# Allegro board BeagleBone_Green_v1.brd
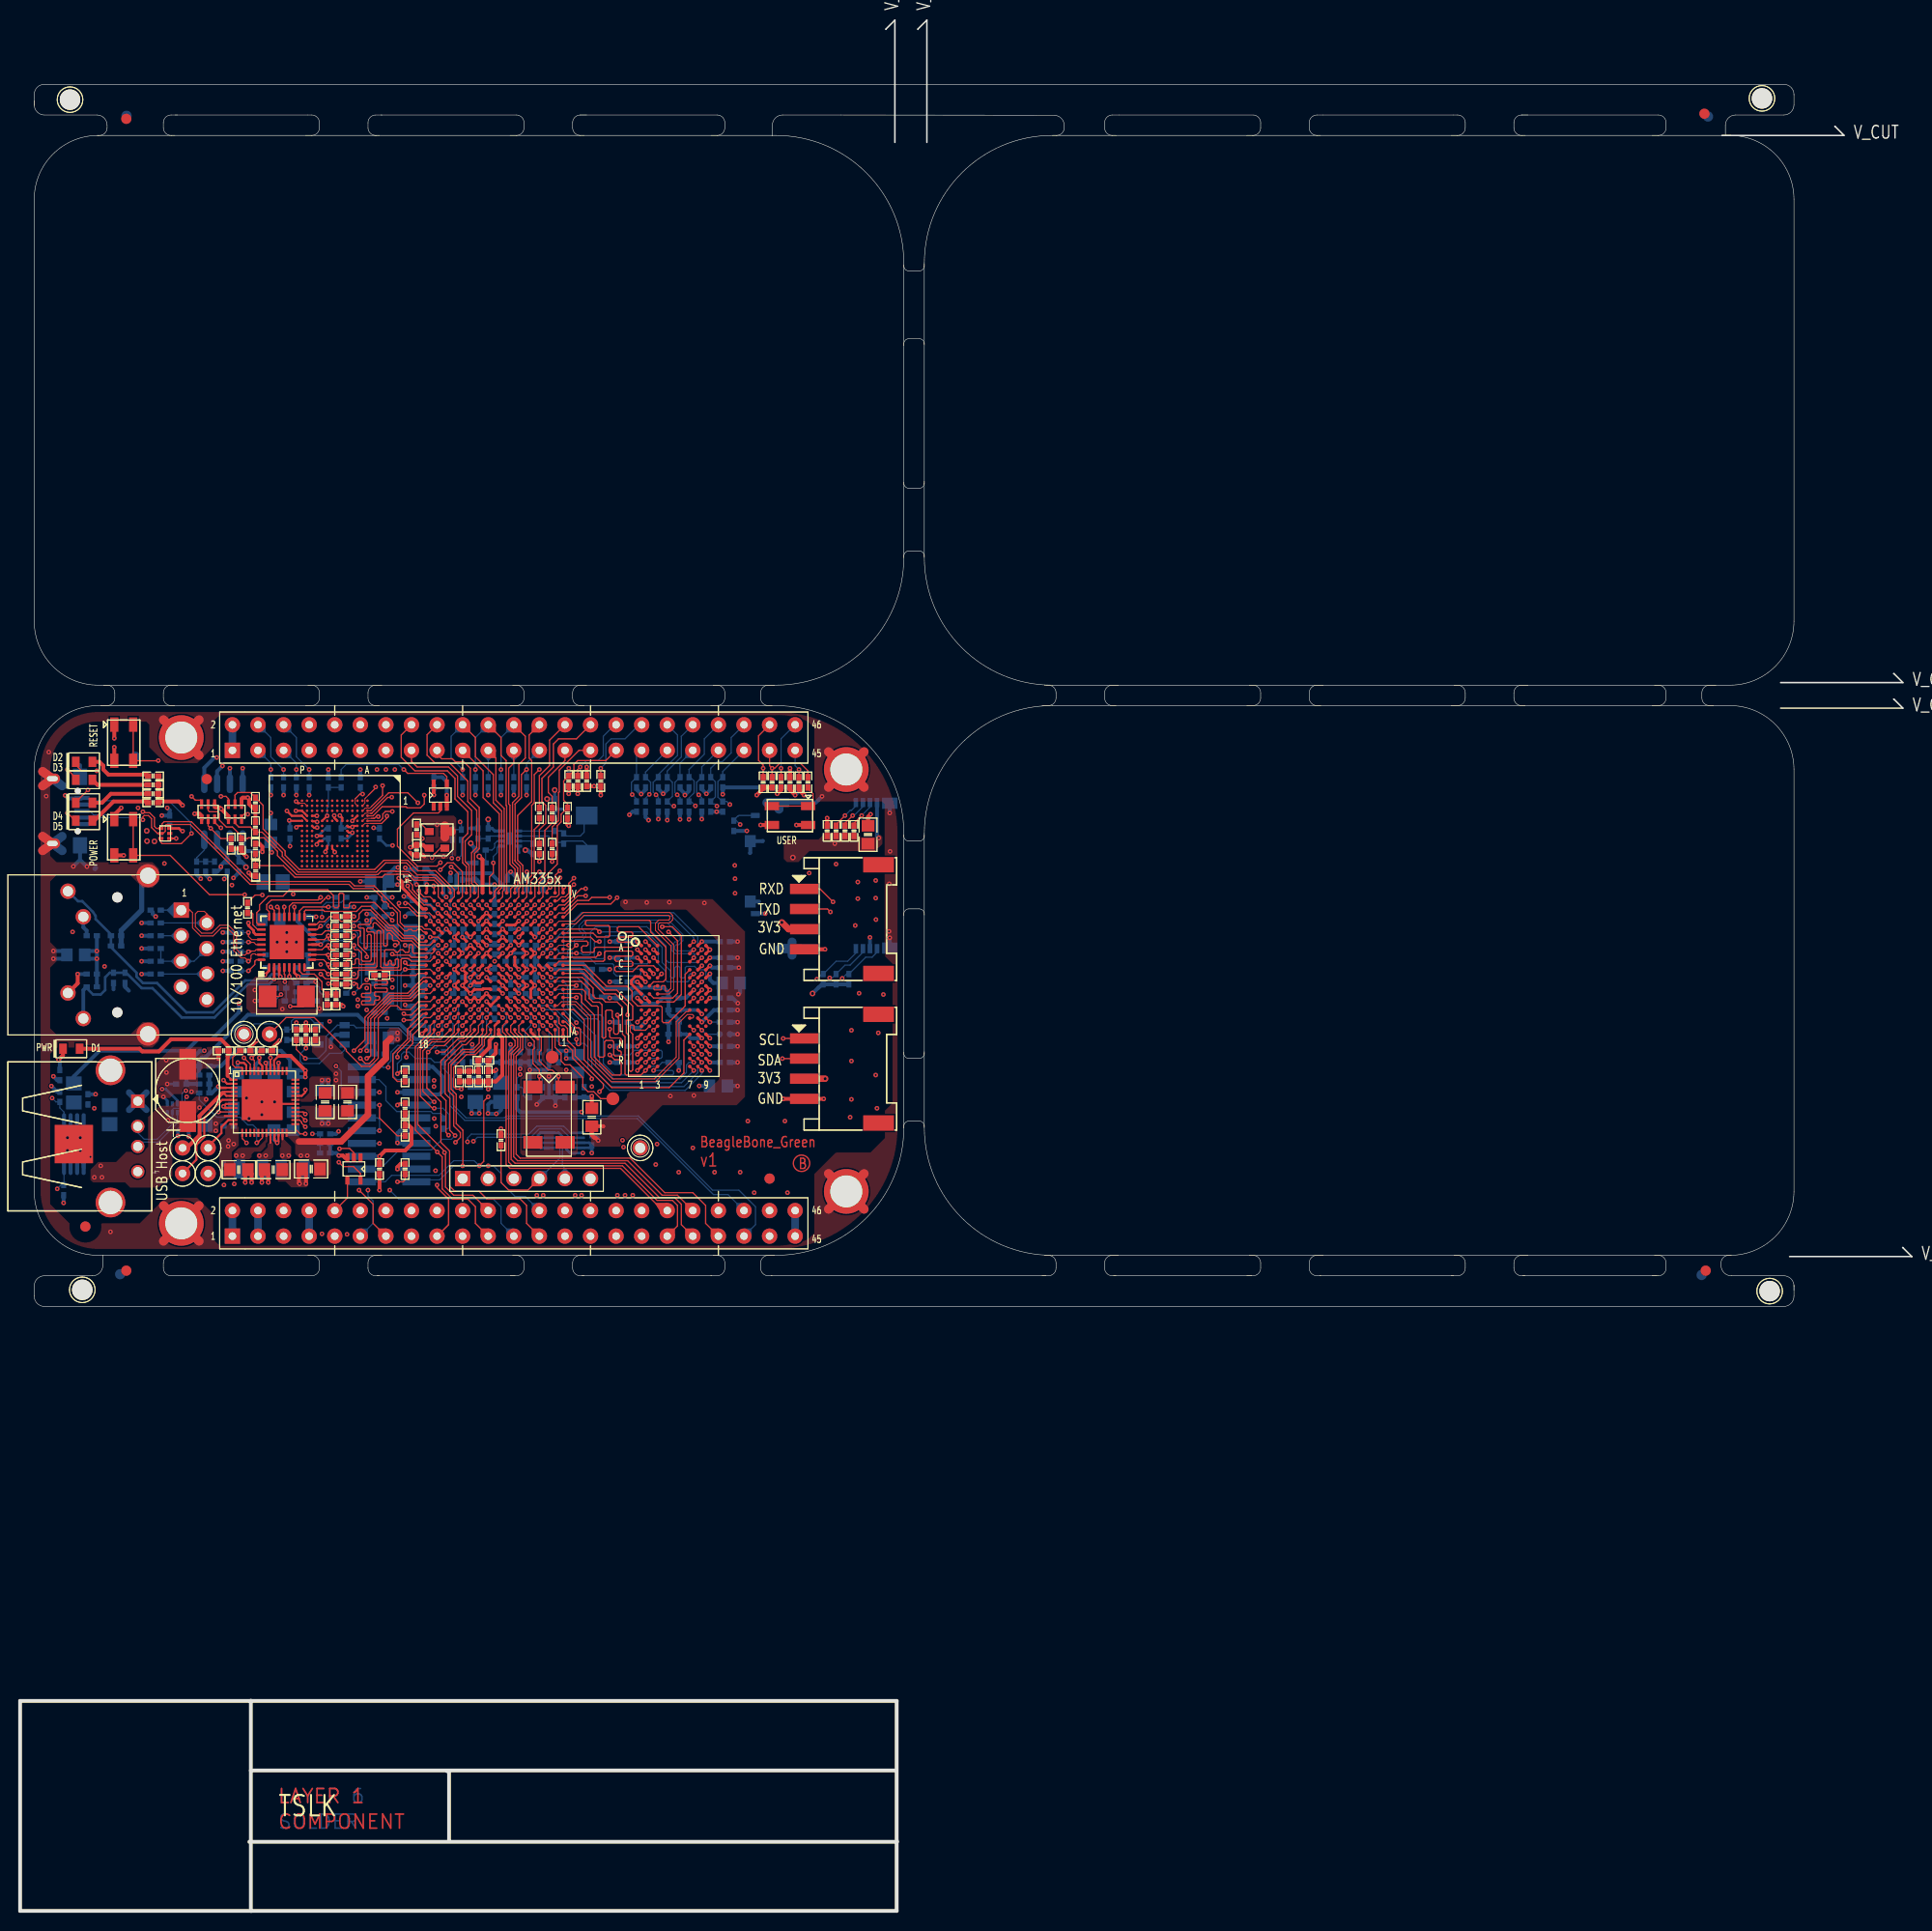
[diagram p0: board, top side]
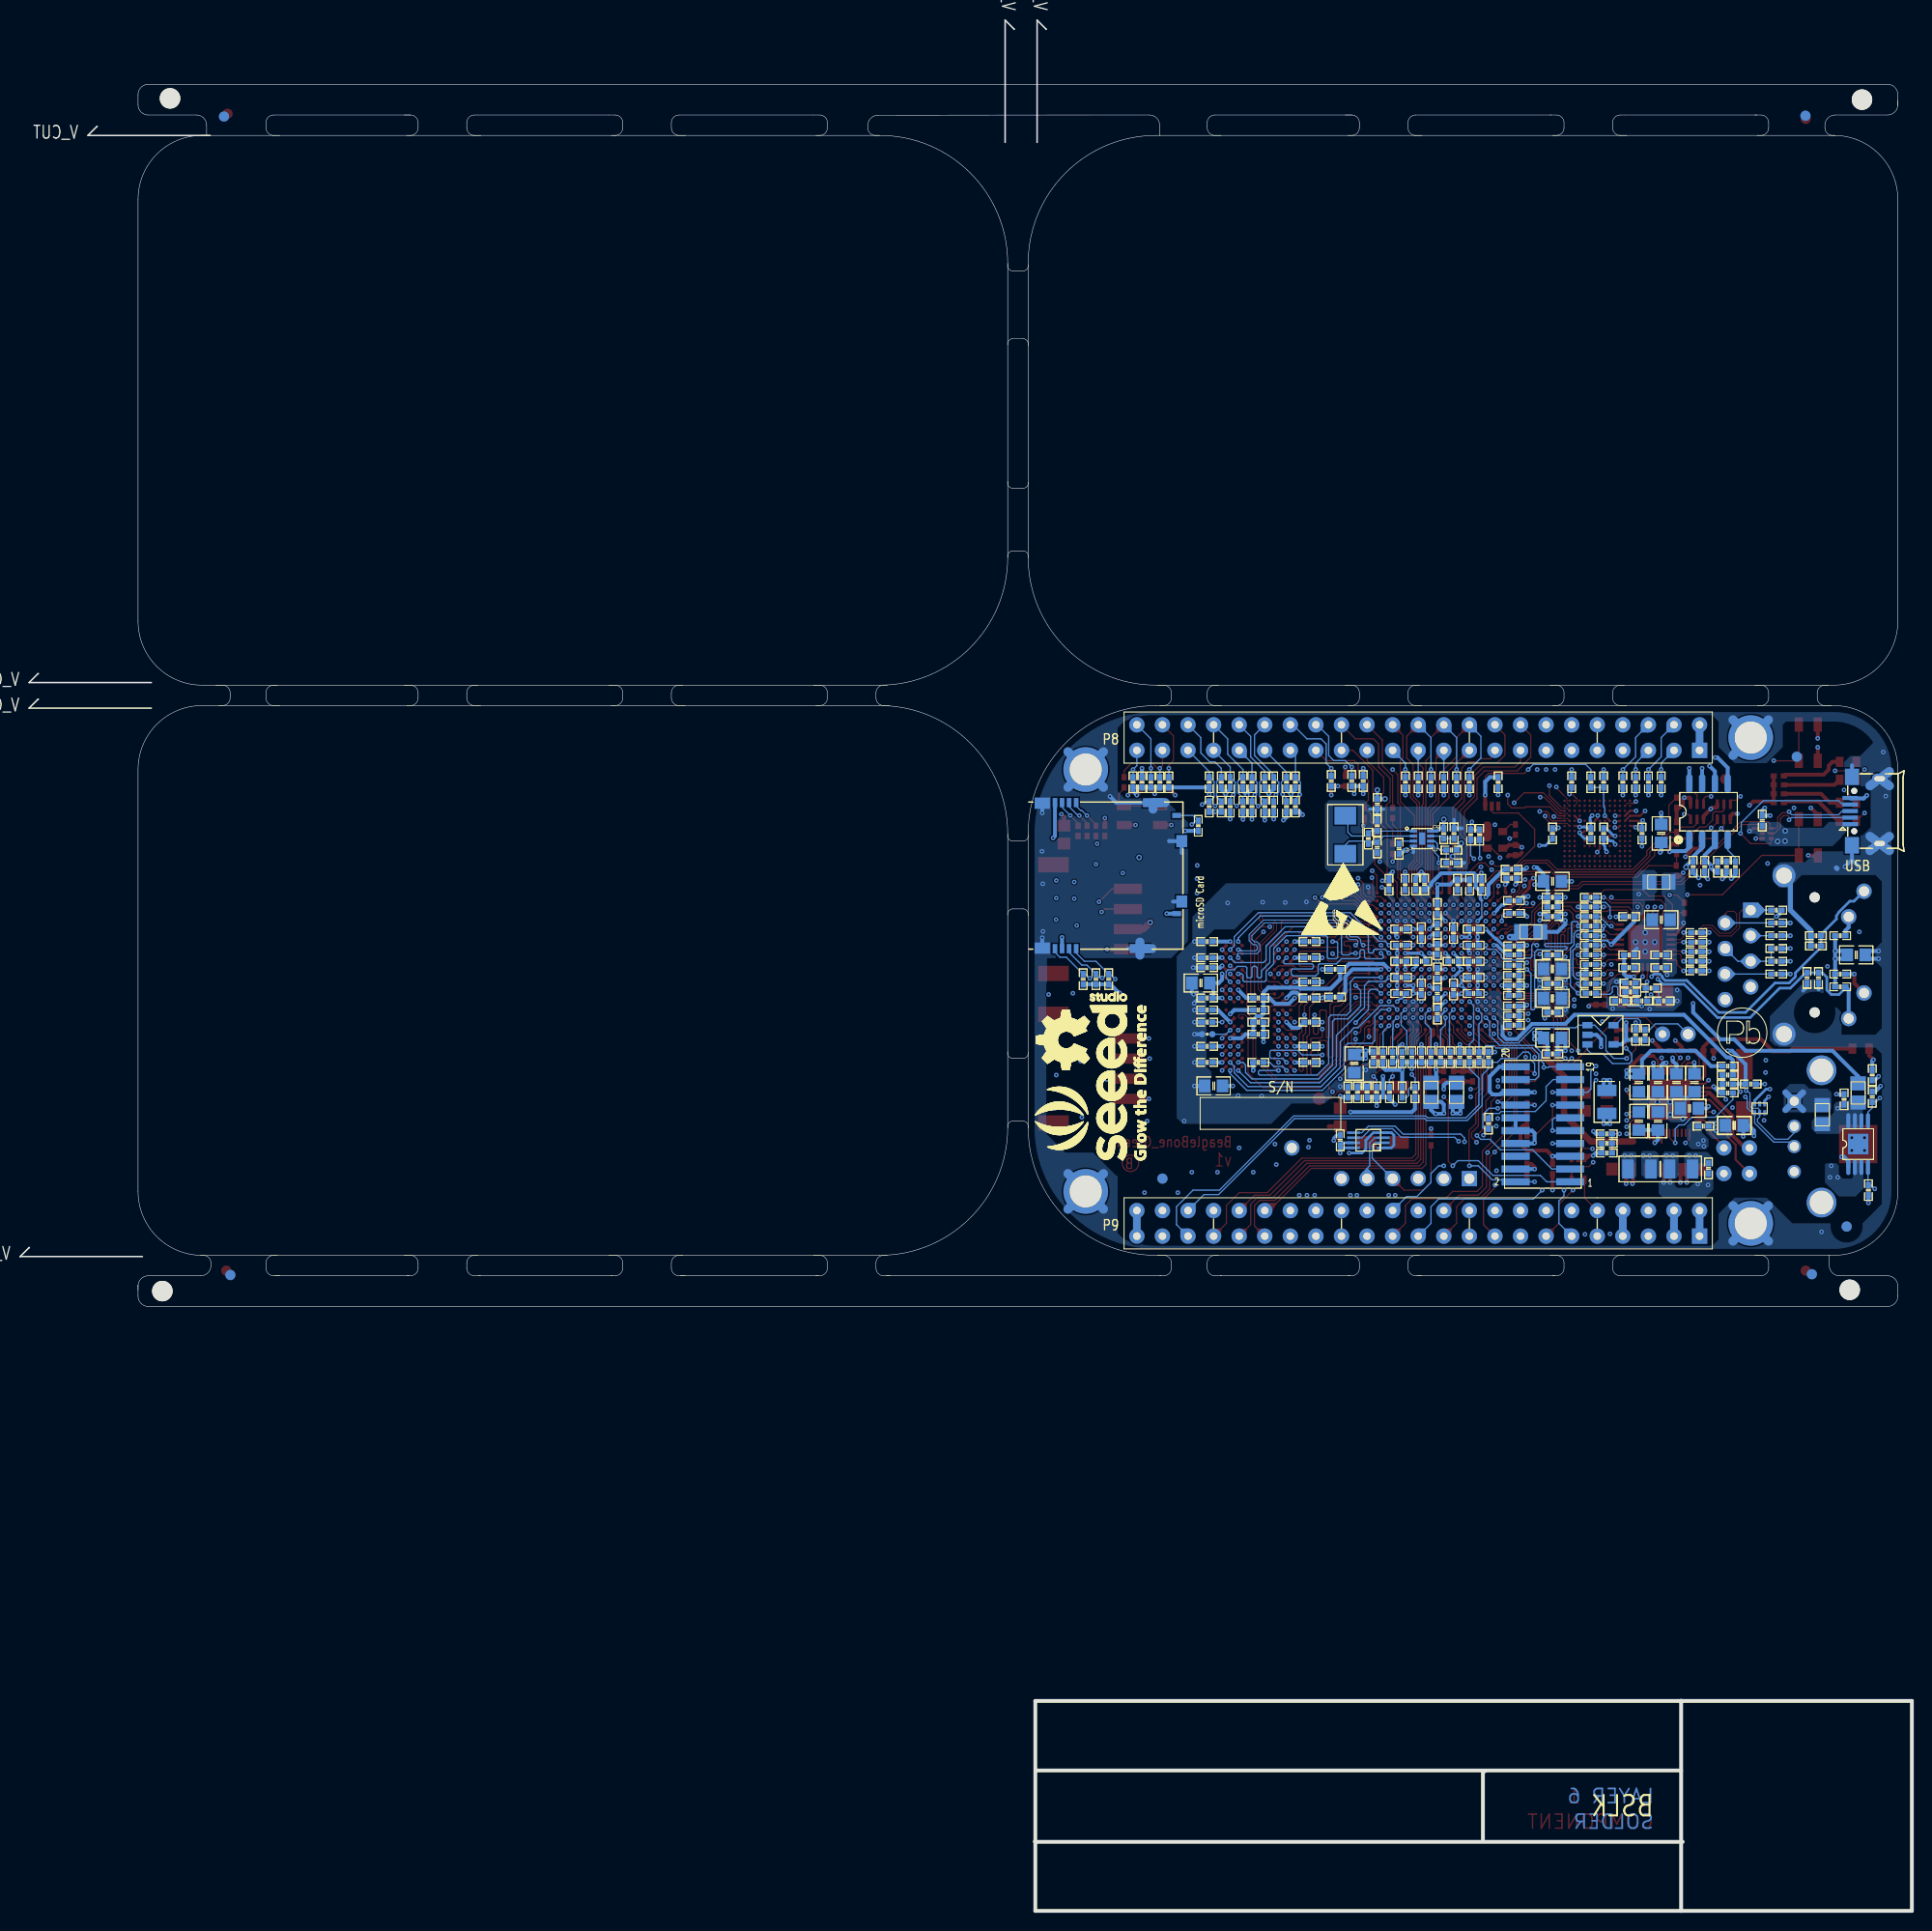
[diagram p1: board, bottom side, seen from below]

Outline 187.86 x 187.83 mm; copper layers: TOP, LYR2_GND, LYR3, LYR4, LYR5_PWR, BOTTOM. Coordinates in mm from the lower left corner of the outline.
Outline path: 1.4,179.83 1.4,179.43 arc(1.69,178.71) 2.41,178.41 7.62,178.41 arc(8.34,178.11) 8.64,177.39 8.64,177.14 arc(8.41,176.6) 7.87,176.38 7.62,176.38 ; 1.4,179.32 1.4,180.44 arc(1.69,181.16) 2.41,181.46 175.13,181.46 arc(175.85,181.16) 176.15,180.44 176.15,179.43 arc(175.85,178.71) 175.13,178.41 170.36,178.41 arc(169.64,178.11) 169.34,177.39 169.34,176.38 169.29,176.38 ; 8.25,121.77 8.64,121.77 arc(9.17,121.54) 9.4,121.01 9.4,120.5 arc(9.17,119.96) 8.64,119.74 8,119.74 ; 8.25,65.13 8.2,65.13 8.2,64.11 arc(7.91,63.39) 7.19,63.09 2.41,63.09 arc(1.69,62.8) 1.4,62.08 1.4,61.06 arc(1.69,60.34) 2.41,60.05 175.13,60.05 arc(175.85,60.34) 176.15,61.06 176.15,62.18 ; 15.62,178.41 14.99,178.41 arc(14.45,178.19) 14.22,177.65 14.22,177.14 arc(14.45,176.6) 14.99,176.38 15.37,176.38 ; 15.62,121.77 14.99,121.77 arc(14.45,121.54) 14.22,121.01 14.22,120.5 arc(14.45,119.96) 14.99,119.74 15.37,119.74 ; 15.62,65.13 14.99,65.13 arc(14.45,64.9) 14.22,64.36 14.22,63.86 arc(14.45,63.32) 14.99,63.09 28.96,63.09 arc(29.49,63.32) 29.72,63.86 29.72,64.36 arc(29.49,64.9) 28.96,65.13 28.57,65.13 ; 22.76,6.86 87.07,6.86 87.07,6.93 ; 22.91,13.94 87,13.94 ; 22.91,20.88 22.91,0 23.01,0 ; 15.37,178.41 28.96,178.41 arc(29.49,178.19) 29.72,177.65 29.72,177.14 arc(29.49,176.6) 28.96,176.38 28.32,176.38 ; 28.57,121.77 28.96,121.77 arc(29.49,121.54) 29.72,121.01 29.72,120.5 arc(29.49,119.96) 28.96,119.74 28.32,119.74 ; 35.94,178.41 35.31,178.41 arc(34.77,178.19) 34.54,177.65 34.54,177.14 arc(34.77,176.6) 35.31,176.38 35.69,176.38 ; 35.94,121.77 35.31,121.77 arc(34.77,121.54) 34.54,121.01 34.54,120.5 arc(34.77,119.96) 35.31,119.74 35.69,119.74 ; 35.94,65.13 35.31,65.13 arc(34.77,64.9) 34.54,64.36 34.54,63.86 arc(34.77,63.32) 35.31,63.09 35.69,63.09 ; 35.43,63.09 49.15,63.09 ; 42.42,13.87 42.6,13.87 42.6,6.91 ; 48.64,176.38 49.28,176.38 arc(49.81,176.6) 50.04,177.14 50.04,177.65 arc(49.81,178.19) 49.28,178.41 35.81,178.41 ; 48.89,121.77 49.28,121.77 arc(49.81,121.54) 50.04,121.01 50.04,120.5 arc(49.81,119.96) 49.28,119.74 48.64,119.74 ; 48.89,65.13 49.28,65.13 arc(49.81,64.9) 50.04,64.36 50.04,63.86 arc(49.81,63.32) 49.28,63.09 48.64,63.09 ; 55.63,178.41 arc(55.09,178.19) 54.86,177.65 54.86,177.14 arc(55.09,176.6) 55.63,176.38 56.01,176.38 ; 55.63,178.41 56.26,178.41 ; 55.63,178.41 69.22,178.41 arc(69.75,178.19) 69.98,177.65 69.98,177.14 arc(69.75,176.6) 69.22,176.38 68.58,176.38 ; 56.26,121.77 55.63,121.77 arc(55.09,121.54) 54.86,121.01 54.86,120.5 arc(55.09,119.96) 55.63,119.74 56.01,119.74 ; 56.26,65.13 55.63,65.13 arc(55.09,64.9) 54.86,64.36 54.86,63.86 arc(55.09,63.32) 55.63,63.09 56.01,63.09 ; 55.75,63.09 68.71,63.09 ; 68.83,121.77 69.22,121.77 arc(69.75,121.54) 69.98,121.01 69.98,120.5 arc(69.75,119.96) 69.22,119.74 68.58,119.74 ; 68.83,65.13 69.22,65.13 arc(69.75,64.9) 69.98,64.36 69.98,63.86 arc(69.75,63.32) 69.22,63.09 68.58,63.09 ; 74.93,121.77 74.3,121.77 arc(73.76,121.54) 73.53,121.01 73.53,120.5 arc(73.76,119.96) 74.3,119.74 74.68,119.74 ; 74.93,65.13 74.3,65.13 arc(73.76,64.9) 73.53,64.36 73.53,63.86 arc(73.76,63.32) 74.3,63.09 74.68,63.09 ; 74.55,63.09 101.85,63.09 ; 74.65,176.38 74.7,176.38 74.7,177.39 arc(75,178.11) 75.72,178.41 81.51,178.41 100.91,178.38 102.67,178.38 arc(103.39,178.09) 103.68,177.37 103.68,177.14 arc(103.46,176.6) 102.92,176.38 102.54,176.38 ; 85.98,186.92 85.98,186.94 86.87,187.83 86.87,175.69 ; 87.76,163.53 87.76,163.42 arc(87.91,163.06) 88.27,162.92 89.28,162.92 arc(89.64,163.06) 89.79,163.42 89.79,163.6 ; 87.76,155.5 87.76,155.68 arc(87.91,156.04) 88.27,156.18 89.28,156.18 arc(89.64,156.04) 89.79,155.68 89.79,155.57 ; 87.76,141.94 87.76,141.83 arc(87.91,141.47) 88.27,141.33 89.28,141.33 arc(89.64,141.47) 89.79,141.83 89.79,142.01 ; 87.76,134.42 87.76,134.59 arc(87.91,134.95) 88.27,135.1 89.28,135.1 arc(89.64,134.95) 89.79,134.59 89.79,134.49 ; 87.76,106.88 87.76,106.78 arc(87.91,106.42) 88.27,106.27 89.28,106.27 arc(89.64,106.42) 89.79,106.78 89.79,106.96 ; 87.76,98.86 87.76,99.03 arc(87.91,99.39) 88.27,99.54 89.28,99.54 arc(89.64,99.39) 89.79,99.03 89.79,98.93 ; 87.76,85.29 87.76,85.19 arc(87.91,84.83) 88.27,84.68 89.28,84.68 arc(89.64,84.83) 89.79,85.19 89.79,85.37 ; 87.76,77.77 87.76,77.95 arc(87.91,78.31) 88.27,78.46 89.28,78.46 arc(89.64,78.31) 89.79,77.95 89.79,77.85 ; 89.15,186.92 89.15,186.94 90.04,187.83 90.04,175.69 ; 101.73,121.77 102.11,121.77 arc(102.65,121.54) 102.87,121.01 102.87,120.5 arc(102.65,119.96) 102.11,119.74 101.47,119.74 ; 101.73,65.13 102.11,65.13 arc(102.65,64.9) 102.87,64.36 102.87,63.86 arc(102.65,63.32) 102.11,63.09 101.47,63.09 ; 109.09,121.77 108.46,121.77 arc(107.92,121.54) 107.7,121.01 107.7,120.5 arc(107.92,119.96) 108.46,119.74 108.84,119.74 ; 109.09,65.13 108.46,65.13 arc(107.92,64.9) 107.7,64.36 107.7,63.86 arc(107.92,63.32) 108.46,63.09 108.84,63.09 ; 108.59,63.09 122.3,63.09 ; 108.84,176.38 108.46,176.38 arc(107.92,176.6) 107.7,177.14 107.7,177.65 arc(107.92,178.19) 108.46,178.41 122.43,178.41 arc(122.97,178.19) 123.19,177.65 123.19,177.14 arc(122.97,176.6) 122.43,176.38 121.79,176.38 ; 122.05,121.77 122.43,121.77 arc(122.97,121.54) 123.19,121.01 123.19,120.5 arc(122.97,119.96) 122.43,119.74 121.79,119.74 ; 122.05,65.13 122.43,65.13 arc(122.97,64.9) 123.19,64.36 123.19,63.86 arc(122.97,63.32) 122.43,63.09 121.79,63.09 ; 129.41,121.77 128.78,121.77 arc(128.24,121.54) 128.02,121.01 128.02,120.5 arc(128.24,119.96) 128.78,119.74 129.16,119.74 ; 129.41,65.13 128.78,65.13 arc(128.24,64.9) 128.02,64.36 128.02,63.86 arc(128.24,63.32) 128.78,63.09 129.16,63.09 ; 129.03,63.09 142.37,63.09 ; 129.16,176.38 128.78,176.38 arc(128.24,176.6) 128.02,177.14 128.02,177.65 arc(128.24,178.19) 128.78,178.41 142.75,178.41 arc(143.29,178.19) 143.51,177.65 143.51,177.14 arc(143.29,176.6) 142.75,176.38 142.11,176.38 ; 142.37,121.77 142.75,121.77 arc(143.29,121.54) 143.51,121.01 143.51,120.5 arc(143.29,119.96) 142.75,119.74 142.11,119.74 ; 142.37,65.13 142.75,65.13 arc(143.29,64.9) 143.51,64.36 143.51,63.86 arc(143.29,63.32) 142.75,63.09 142.11,63.09 ; 149.1,178.41 arc(148.56,178.19) 148.34,177.65 148.34,177.14 arc(148.56,176.6) 149.1,176.38 149.48,176.38 ; 149.1,178.41 149.73,178.41 ; 149.1,178.41 162.69,178.41 arc(163.23,178.19) 163.45,177.65 163.45,177.14 arc(163.23,176.6) 162.69,176.38 162.05,176.38 ; 149.73,121.77 149.1,121.77 arc(148.56,121.54) 148.34,121.01 148.34,120.5 arc(148.56,119.96) 149.1,119.74 149.48,119.74 ; 149.73,65.13 149.1,65.13 arc(148.56,64.9) 148.34,64.36 148.34,63.86 arc(148.56,63.32) 149.1,63.09 149.48,63.09 ; 149.22,63.09 162.56,63.09 ; 162.31,121.77 162.69,121.77 arc(163.23,121.54) 163.45,121.01 163.45,120.5 arc(163.23,119.96) 162.69,119.74 162.05,119.74 ; 162.31,65.13 162.69,65.13 arc(163.23,64.9) 163.45,64.36 163.45,63.86 arc(163.23,63.32) 162.69,63.09 162.05,63.09 ; 168.4,121.77 167.77,121.77 arc(167.23,121.54) 167,121.01 167,120.5 arc(167.23,119.96) 167.77,119.74 168.15,119.74 ; 168.99,176.38 181.13,176.38 180.24,177.27 180.21,177.27 ; 169.93,65.13 169.67,65.13 arc(169.13,64.9) 168.91,64.36 168.91,64.11 arc(169.21,63.39) 169.93,63.09 175.13,63.09 arc(175.85,62.8) 176.15,62.08 176.15,61.67 ; 174.83,122.02 186.97,122.02 186.08,122.91 186.05,122.91 ; 174.83,119.48 186.97,119.48 186.08,120.37 186.05,120.37 ; 175.72,65 187.86,65 186.97,65.89 186.94,65.89 ; 0,20.85 87.05,20.85 87.05,0 0,0 0,20.85 ; 1.4,170.03 1.4,128.12 arc(3.26,123.63) 7.75,121.77 75.06,121.77 arc(84.04,125.49) 87.76,134.47 87.76,163.68 arc(84.04,172.66) 75.06,176.38 7.75,176.38 arc(3.26,174.52) 1.4,170.03 ; 1.4,113.39 1.4,71.48 arc(3.26,66.99) 7.75,65.13 75.06,65.13 arc(84.04,68.85) 87.76,77.83 87.76,107.04 arc(84.04,116.02) 75.06,119.74 7.75,119.74 arc(3.26,117.88) 1.4,113.39 ; 89.79,163.68 89.79,134.47 arc(93.51,125.49) 102.49,121.77 169.8,121.77 arc(174.29,123.63) 176.15,128.12 176.15,170.03 arc(174.29,174.52) 169.8,176.38 102.49,176.38 arc(93.51,172.66) 89.79,163.68 ; 89.79,107.04 89.79,77.83 arc(93.51,68.85) 102.49,65.13 169.8,65.13 arc(174.29,66.99) 176.15,71.48 176.15,113.39 arc(174.29,117.88) 169.8,119.74 102.49,119.74 arc(93.51,116.02) 89.79,107.04

## Design rules (mm)
net group RX: nets RXN RXP
net group TX: nets TXN TXP
net group USB0: nets USB0_DM USB0_DP
net group USB1: nets USB1_DM USB1_DP
net group CLK: nets MMC0_CLKO
net group DDR_ADD: nets DDR_A0 DDR_A1 DDR_A2 DDR_A3 DDR_A4 DDR_A5 DDR_A6 DDR_A7 DDR_A8 DDR_A9 DDR_A10 DDR_A11 DDR_A12 DDR_A13 DDR_A14 DDR_BA0 DDR_BA1 DDR_BA2 DDR_CASN DDR_CKE DDR_CLK DDR_CLKN DDR_CSN DDR_ODT DDR_RASN DDR_WEN
net group DDR_DQ0: nets DDR_D0 DDR_D1 DDR_D2 DDR_D3 DDR_D4 DDR_D5 DDR_D6 DDR_D7 DDR_DQM0 DDR_DQS0 DDR_DQSN0
net group DDR_DQ1: nets DDR_D8 DDR_D9 DDR_D10 DDR_D11 DDR_D12 DDR_D13 DDR_D14 DDR_D15 DDR_DQM1 DDR_DQS1 DDR_DQSN1
nets with their own width: min track width 0.203; nets USB1_VBUS

## Placement (name value [footprint] x y rotation side)
C1  10uF,10V  [805]  21.72 73.63 180 top
C2  10uF,10V  [805]  17.63 78.03 0 bottom
C3  0.1uf,6.3V  [402]  22.35 85.45 180 top
C4  10uF,10V  [805]  21.59 82.27 90 bottom
C7  10uF,10V  [805]  25.21 78.46 270 bottom
C8  10uF,10V  [805]  27.11 78.46 270 bottom
C9  10uF,10V  [805]  25.15 73.63 180 top
C10  10uF,10V  [805]  22.1 79.73 180 bottom
C11  10uF,10V  [805]  30.29 80.37 270 top
C12  10uF,10V  [805]  28.89 73.7 0 top
C13  10uF,10V  [805]  25.21 82.27 90 bottom
C14  10uF,10V  [805]  27.11 82.27 90 bottom
C15  10uF,10V  [805]  23.37 82.27 90 bottom
C16  2.2uF,6.3V  [402]  16 82.14 180 bottom
C17  2.2uF,6.3V  [402]  21.72 103.73 270 bottom
C18  2.2uF,6.3V  [402]  20.19 85.45 180 top
C19  470pF,6.3V  [402]  18.41 103.73 270 bottom
C20  0.1uf,6.3V  [402]  20.57 103.73 270 bottom
C21  18pF,50V  [402]  51.88 81.32 90 bottom
C22  18pF,50V  [402]  53.15 81.32 90 bottom
C24  2.2uF,6.3V  [402]  30.29 76.24 0 bottom
C25  18pF,50V  [402]  53.09 107.8 90 bottom
C26  18pF,50V  [402]  53.09 105.64 270 bottom
C28  0.1uf,6.3V  [402]  57.28 93.54 0 bottom
C29  0.1uf,6.3V  [402]  35.69 73.7 270 top
C30  0.1uf,6.3V  [402]  30.29 75.29 0 bottom
C31  0.1uf,6.3V  [402]  44.58 82.91 270 top
C32  0.001uf,50V  [402]  43.62 82.91 270 top
C33  0.1uf,6.3V  [402]  45.53 82.91 270 top
C34  100uF,6.3V  [RD205SMD_250D]  16.64 81.51 90 top
C35  0.1uf,6.3V  [402]  6.73 80.62 90 bottom
C36  0.1uf,6.3V  [402]  14.86 108.31 90 bottom
C37  0.1uf,6.3V  [402]  29.34 87.03 270 top
C38  0.1uf,6.3V  [402]  35.69 99.73 180 bottom
C39  10uF,10V  [805]  35.69 90.65 0 bottom
C40  10uF,10V  [805]  35.69 93.57 0 bottom
C41  0.1uf,6.3V  [402]  43.52 97.54 180 bottom
C42  0.1uf,6.3V  [402]  47.12 97.54 270 bottom
C43  0.1uf,6.3V  [402]  48.72 97.14 90 bottom
C44  0.1uf,6.3V  [402]  39.52 90.94 180 bottom
C45  0.1uf,6.3V  [402]  39.5 94.97 180 bottom
C46  0.1uf,6.3V  [402]  45.52 94.34 0 bottom
C47  0.1uf,6.3V  [402]  47.12 95.54 270 bottom
C48  0.1uf,6.3V  [402]  48.72 94.34 0 bottom
C49  0.1uf,6.3V  [402]  47.12 93.14 90 bottom
C50  0.1uf,6.3V  [402]  48.72 91.54 90 bottom
C51  0.1uf,6.3V  [402]  35.69 94.97 180 bottom
C52  0.1uf,6.3V  [402]  35.69 92.11 180 bottom
C53  0.1uf,6.3V  [402]  35.69 89.26 180 bottom
C54  0.1uf,6.3V  [402]  39.52 91.94 180 bottom
C55  10uF,10V  [805]  32.51 80.37 270 top
C56  0.1uf,6.3V  [402]  47.12 99.54 270 bottom
C57  0.1uf,6.3V  [402]  56.26 112.24 270 top
C58  0.1uf,6.3V  [402]  43.92 101.94 90 bottom
C59  0.1uf,6.3V  [402]  44.89 84.81 270 bottom
C60  0.1uf,6.3V  [402]  43.52 92.74 180 bottom
C61  0.1uf,6.3V  [402]  76.45 112.12 270 top
C62  10uF,10V  [805]  35.69 86.72 0 bottom
C63  0.1uf,6.3V  [402]  45.52 91.54 90 bottom
C64  0.1uf,6.3V  [402]  35.69 85.13 180 bottom
C65  0.1uf,6.3V  [402]  43.52 94.34 180 bottom
C66  0.1uf,6.3V  [402]  43.52 95.94 180 bottom
C67  0.1uf,6.3V  [402]  35.69 100.69 180 bottom
C68  0.1uf,6.3V  [402]  50.32 101.94 270 bottom
C69  0.1uf,6.3V  [402]  39.52 93.94 0 bottom
C70  0.1uf,6.3V  [402]  43.52 91.14 180 bottom
C71  0.1uf,6.3V  [402]  39.75 102.59 180 bottom
C72  0.1uf,6.3V  [402]  47.12 91.14 270 bottom
C73  0.1uf,6.3V  [402]  50.72 97.54 0 bottom
C74  0.1uf,6.3V  [402]  51.92 101.94 270 bottom
C75  0.1uf,6.3V  [402]  54.48 112.24 270 bottom
C76  0.1uf,6.3V  [402]  76.45 112.12 270 bottom
C77  10uF,10V  [805]  35.69 102.27 180 bottom
C78  0.1uf,6.3V  [402]  35.69 98.78 0 bottom
C79  0.1uf,6.3V  [402]  39.52 92.94 180 bottom
C80  0.1uf,6.3V  [402]  42.72 101.94 90 bottom
C81  0.1uf,6.3V  [402]  49.28 101.96 90 bottom
C82  0.1uf,6.3V  [402]  39.52 89.89 180 bottom
C83  0.1uf,6.3V  [402]  39.52 88.94 180 bottom
C84  0.1uf,6.3V  [402]  48.39 101.96 90 bottom
C85  0.1uf,6.3V  [402]  39.52 87.99 180 bottom
C86  0.1uf,6.3V  [402]  39.52 100.37 180 bottom
C87  0.1uf,6.3V  [402]  39.5 95.86 180 bottom
C88  0.1uf,6.3V  [402]  47.12 89.13 270 bottom
C89  1uF,10V  [402]  47.75 84.81 270 bottom
C90  1uF,10V  [402]  45.85 84.81 270 bottom
C91  1uF,10V  [402]  46.8 84.81 270 bottom
C92  0.1uf,6.3V  [402]  49.66 84.81 270 bottom
C93  0.1uf,6.3V  [402]  46.48 82.91 270 top
C94  0.1uf,6.3V  [402]  45.52 97.14 270 bottom
C95  10uF,10V  [805]  55.37 84.18 90 bottom
C96  10uF,10V  [805]  56.77 78.84 90 top
C97  0.1uf,6.3V  [402]  50.72 95.94 180 bottom
C98  0.1uf,6.3V  [402]  50.72 94.34 180 bottom
C99  0.1uf,6.3V  [402]  50.72 92.74 180 bottom
C100  0.1uf,6.3V  [402]  50.72 91.14 180 bottom
C101  0.1uf,6.3V  [402]  53.47 84.81 270 bottom
C102  0.1uf,6.3V  [402]  55.05 81.32 90 bottom
C103  0.1uf,6.3V  [402]  56.01 81.32 90 bottom
C104  1uF,10V  [402]  50.61 84.81 270 bottom
C105  0.1uf,6.3V  [402]  48.7 84.81 270 bottom
C106  1uF,10V  [402]  45.12 101.94 90 bottom
C107  0.1uf,6.3V  [402]  59.82 96.29 180 bottom
C108  0.1uf,6.3V  [402]  59.82 94.69 180 bottom
C109  0.1uf,6.3V  [402]  59.82 92.29 180 bottom
C110  0.1uf,6.3V  [402]  59.82 90.69 180 bottom
C111  0.1uf,6.3V  [402]  59.82 88.29 180 bottom
C112  0.1uf,6.3V  [402]  59.82 85.89 180 bottom
C113  0.1uf,6.3V  [402]  59.82 84.29 180 bottom
C114  0.1uf,6.3V  [402]  69.98 96.29 0 bottom
C115  0.1uf,6.3V  [402]  69.98 94.69 0 bottom
C116  0.1uf,6.3V  [402]  69.98 93.7 0 bottom
C117  0.1uf,6.3V  [402]  69.98 90.69 0 bottom
C118  10uF,10V  [805]  70.61 92.18 180 bottom
C119  0.1uf,6.3V  [402]  69.98 89.49 0 bottom
C120  0.1uf,6.3V  [402]  69.98 85.89 0 bottom
C121  0.1uf,6.3V  [402]  69.98 84.29 0 bottom
C122  10uF,10V  [805]  69.34 81.95 180 bottom
C123  0.001uf,50V  [402]  64.9 89.49 0 bottom
C124  0.1uf,6.3V  [402]  64.9 87.09 180 bottom
C125  2.2uF,6.3V  [402]  33.78 112.12 90 bottom
C126  10uF,10V  [805]  24.89 107.04 90 bottom
C127  0.1uf,6.3V  [402]  26.8 107.04 270 bottom
C128  0.1uf,6.3V  [402]  30.61 107.04 90 bottom
C129  0.1uf,6.3V  [402]  31.88 107.04 270 bottom
C130  0.1uf,6.3V  [402]  35.69 107.04 270 bottom
C131  0.1uf,6.3V  [402]  24.89 93.7 0 bottom
C132  0.1uf,6.3V  [402]  24.89 94.97 0 bottom
C133  10uF,10V  [805]  24.89 98.46 180 bottom
C134  1uF,10V  [402]  28.07 93.7 180 bottom
C135  0.1uf,6.3V  [402]  28.07 98.78 0 bottom
C136  470pF,6.3V  [0402]  28.07 94.97 180 bottom
C137  33pF,4 EMI  [402]  13.46 99.42 180 bottom
C138  33pF,4 EMI  [402]  13.46 98.15 180 bottom
C139  33pF,4 EMI  [402]  13.46 96.88 180 bottom
C140  33pF,4 EMI  [402]  13.46 93.07 180 bottom
C141  0.022uF,10V  [402]  13.46 95.61 180 bottom
C142  30pF,50V  [402]  24.64 90.4 180 bottom
C143  30pF,50V  [402]  28.96 90.4 0 bottom
C152  0.1uf,6.3V  [402]  27.43 87.03 90 bottom
C153  10uF,10V  [805]  84.2 106.91 90 top
C154  0.1uf,6.3V  [402]  80.14 107.29 90 top
C155  0.1uf,6.3V  [402]  56.77 76.56 270 bottom
C158  0.1uf,6.3V  [402]  41.08 112.12 90 bottom
C159  0.1uf,6.3V  [402]  39.37 105.38 270 top
C161  33pF,4 EMI  [402]  27.94 92.18 0 bottom
C162  33pF,4 EMI  [402]  30.48 90.53 90 top
C163  100pF,4 EMI  [402]  9.53 96.88 0 bottom
C164  100pF,4 EMI  [402]  10.41 92.68 270 bottom
C165  100nF,4 EMI  [402]  9.53 95.86 0 bottom
C166  100nF,4 EMI  [402]  9.27 92.68 270 bottom
D1  LTST-C191TBKT  [LED_0603]  5.08 85.65 0 top
D2  LTST-C191TBKT  [LED_0603]  6.35 114.15 0 top
D3  LTST-C191TBKT  [LED_0603]  6.35 112.37 0 top
D4  LTST-C191TBKT  [LED_0603]  6.35 110.08 0 top
D5  LTST-C191TBKT  [LED_0603]  6.35 108.31 0 top
FB1  150OHM800mA  [SM-7351-IND-0805]  37.85 97.26 0 bottom
FB2  150OHM800mA  [SM-7351-IND-0805]  47.75 81.32 270 bottom
FB3  150OHM800mA  [SM-7351-IND-0805]  45.21 81.32 270 bottom
FB4  150OHM800mA  [SM-7351-IND-0805]  25.12 102.21 180 bottom
FB7  150OHM800mA  [SM-7351-IND-0805]  8.89 79.1 90 bottom
FB8  0.1R,0805  [SM-7351-IND-0805]  5.33 81.25 270 bottom
J1  HEADER 6  [SIP6]  43.94 72.75 90 top
J4  GroveHDR  [4P-SMD-2_0-90D]  77.85 83.67 270 top
J5  GroveHDR  [4P-SMD-2_0-90D]  77.85 98.53 270 top
L1  LQM2HPN2R2MG0L  [2520]  22.92 73.7 180 bottom
L2  LQM2HPN2R2MG0L  [2520]  27.05 73.7 0 bottom
L3  LQM2HPN2R2MG0L  [2520]  30.29 80.37 270 bottom
MTG1  MHOLE  [MTGH200C125D_PL]  16 68.3 90 top
MTG2  MHOLE  [MTGH200C125D_PL]  82.04 71.48 90 top
MTG3  MHOLE  [MTGH200C125D_PL]  16 116.56 90 top
MTG4  MHOLE  [MTGH200C125D_PL]  82.04 113.39 90 top
NOREF  -  [unnamed]  172.97 180.06 180 top
NOREF#2  -  [#2]  -10.57 65.13 90 top
NOREF#3  -  [#2]  7.75 119.74 0 top
NOREF#4  -  [#2]  87.76 93.07 0 top
NOREF#5  -  [unnamed#3]  74.42 72.75 270 top
NOREF#6  -  [#2]  -366.9 -191.41 0 top
NOREF#7  -  [#2]  16 116.56 0 top
NOREF#8  -  [unnamed]  6.17 61.7 0 top
NOREF#9  -  [#2]  87.76 104.81 0 top
NOREF#10  -  [#2]  87.12 104.18 0 top
NOREF#11  -  [#2]  1.4 65.13 0 top
NOREF#12  -  [#2]  83.31 117.2 0 top
NOREF#13  -  [unnamed#3]  167.39 63.6 270 top
NOREF#14  -  [#2]  82.04 113.39 0 top
NOREF#15  -  [unnamed#3]  10.54 63.6 270 top
NOREF#16  -  [unnamed]  4.95 179.93 180 top
NOREF#17  -  [unnamed#3]  167.26 178.54 270 top
NOREF#18  -  [#2]  1.4 65.13 0 top
NOREF#19  -  [#2]  82.04 71.48 0 top
NOREF#20  -  [unnamed#3]  6.48 67.98 270 top
NOREF#21  -  [#2]  82.04 71.48 0 top
NOREF#22  -  [#2]  87.12 93.7 0 top
NOREF#23  -  [#2]  87.12 93.7 0 top
NOREF#24  -  [#2]  1.4 53.16 0 top
NOREF#25  -  [unnamed#3]  10.54 178.03 270 top
NOREF#26  -  [unnamed]  173.74 61.57 0 top
NOREF#27  -  [#2]  16 68.3 0 top
NOREF#28  -  [#2]  87.76 77.83 0 top
NOREF#29  -  [unnamed#3]  18.54 112.43 270 top
NOREF#30  -  [#2]  -366.77 -191.34 0 top
NOREF#31  -  [#2]  16 68.3 0 top
NOREF#32  -  [#2]  85.22 79.1 90 bottom
NOREF#33  -  [unnamed#3]  167.61 178.26 90 bottom
NOREF#34  -  [unnamed#3]  11.43 114.66 270 bottom
NOREF#35  -  [#2]  3.3 118.47 180 bottom
NOREF#36  -  [unnamed#3]  166.98 63.17 270 bottom
NOREF#37  -  [unnamed#3]  9.93 63.25 270 bottom
NOREF#38  -  [unnamed#3]  6.48 67.98 270 bottom
NOREF#39  -  [unnamed#3]  10.57 178.33 90 bottom
NOREF#40  -  [unnamed#3]  74.42 72.75 270 bottom
P2  CTI JTAG,DNI  [HEADER10X2_SMD]  36.64 78.14 90 bottom
P3  DIP USB A TYPE FMAL  [USB-003A-4P-90D]  8.97 76.94 270 top
P4  SMD Micro USB-B-without POST-W/P  [5P-USB-B]  6.38 109.26 90 bottom
P5  LPJ0011BBNL  [RJ45-7499010211A]  16 99.42 270 top
P8  FEMALE HEADER 2x23  [HEADER23X2]  21.08 115.29 0 top
P9  FEMALE HEADER 2x23  [HEADER23X2]  21.08 67.03 0 top
P10  SCHA5B0200  [SD-MICRO-SCHA5B0300]  82.99 102.84 270 bottom
Q1  DMC56404  [SMINI6-F3-B]  21.34 109.19 180 top
Q2  DMC56404  [SMINI6-F3-B]  18.67 109.19 180 top
R1  100K,1%  [402]  24.51 85.45 180 top
R3  1.5K,1%  [402]  27.43 87.03 270 top
R4  1.5K,1%  [402]  28.38 87.03 270 top
R5  0,1%  [402]  18.29 82.14 180 bottom
R6  0,1%  [402]  20.19 73.76 270 bottom
R7  0,1%  [402]  18.29 81.25 180 bottom
R8  0,1%  [402]  18.29 83.03 180 bottom
R9  0,1%,DNI  [402]  18.29 83.92 0 bottom
R10  470K,1%  [402]  17.53 103.73 270 bottom
R11  280K,1%  [402]  19.3 103.73 90 bottom
R12  4.75K,5%  [402]  3.94 83.03 90 bottom
R14  10K,1%  [402]  30.29 77.19 180 bottom
R17  1M,1%  [402]  53.98 106.53 270 bottom
R18  33  [0402]  42.04 78.21 90 bottom
R19  0,1%  [402]  42.99 84.81 270 bottom
R20  0,1%  [402]  43.94 84.81 90 bottom
R22  49.9,1%  [402]  57.28 90.78 180 bottom
R23  4.75K,1%  [402]  38.23 77.51 270 top
R24  4.75K,1%  [402]  38.23 79.73 90 top
R25  4.75K,1%  [402]  38.23 73.7 90 top
R26  4.75K,1%  [402]  51.56 84.81 90 bottom
R27  0,1%  [402]  46.01 84.49 180 top
R28  33  [0402]  35.69 92.94 180 top
R29  0,1%  [402]  53.09 109.96 270 bottom
R30  0,1%  [402]  54.1 81.32 270 bottom
R45  22  [0402]  51.56 109.07 90 top
R46  0  [0402]  52.83 109.07 90 top
R47  0  [0402]  52.83 105.51 90 top
R48  0  [0402]  51.56 105.51 90 top
R49  0,1%  [402]  39.5 99.1 0 bottom
R50  0,1%  [402]  38.23 82.91 270 top
R51  0,1%  [402]  42.04 84.81 90 bottom
R52  10K,1%  [402]  3.94 80.87 270 bottom
R53  10K,1%  [402]  4.32 71.6 270 bottom
R54  10K,1%  [402]  52.51 84.81 90 bottom
R55  100K,1%,DNI  [402]  55.63 112.24 90 bottom
R56  100K,1%  [402]  54.48 112.24 90 top
R57  100K,1%,DNI  [402]  61.21 112.12 90 bottom
R58  100K,1%,DNI  [402]  62.1 112.12 90 bottom
R59  100K,1%,DNI  [402]  57.66 112.24 90 bottom
R60  100K,1%,DNI  [402]  63.37 112.12 90 bottom
R61  100K,1%,DNI  [402]  64.26 112.12 90 bottom
R62  100K,1%,DNI  [402]  65.53 112.12 90 bottom
R63  100K,1%,DNI  [402]  66.42 112.12 90 bottom
R64  100K,1%,DNI  [402]  67.69 112.12 90 bottom
R65  100K,1%  [402]  68.58 112.12 90 bottom
R66  100K,1%  [402]  69.77 112.12 90 bottom
R67  100K,1%  [402]  73.79 112.12 90 bottom
R68  100K,1%  [402]  74.68 112.12 90 bottom
R69  100K,1%,DNI  [402]  75.57 112.12 90 bottom
R70  100K,1%,DNI  [402]  77.34 112.12 90 bottom
R71  4.75K,5%  [402]  13.21 110.08 180 top
R72  4.75K,5%  [402]  13.21 112.75 180 top
R73  4.75K,5%  [402]  13.21 111.86 180 top
R74  4.75K,5%  [402]  13.21 110.97 180 top
R75  100,1%  [402]  78.23 112.12 270 top
R76  100K,1%  [402]  23.37 107.67 90 top
R77  100K,1%  [402]  23.37 110.08 270 top
R78  100K,1%  [402]  20.95 106.02 270 top
R79  100K,1%  [402]  21.97 106.02 270 top
R80  100K,1%  [402]  55.37 112.24 270 top
R81  100K,1%,DNI  [402]  54.36 109.07 270 top
R82  100K,1%  [402]  61.21 109.7 270 bottom
R83  100K,1%  [402]  62.1 109.7 270 bottom
R84  100K,1%  [402]  57.66 112.24 270 top
R85  100K,1%  [402]  63.37 109.7 270 bottom
R86  100K,1%  [402]  64.26 109.7 270 bottom
R87  100K,1%  [402]  65.53 109.7 270 bottom
R88  100K,1%  [402]  66.42 109.7 270 bottom
R89  100K,1%  [402]  67.69 109.7 270 bottom
R90  100K,1%,DNI  [402]  68.58 109.7 270 bottom
R91  100K,1%,DNI  [402]  69.77 109.7 270 bottom
R92  100K,1%,DNI  [402]  73.79 112.12 270 top
R93  100K,1%,DNI  [402]  74.68 112.12 270 top
R94  100K,1%  [402]  75.57 112.12 270 top
R95  100K,1%  [402]  77.34 112.12 270 top
R96  10K,1%  [402]  69.98 88.29 180 bottom
R97  1.5K,1%  [402]  64.9 84.29 180 bottom
R98  10K,1%  [402]  64.9 90.69 180 bottom
R99  240  [SM-7351-RES-0402]  69.98 87.09 180 bottom
R100  10K,1%  [402]  64.9 88.29 180 bottom
R101  10K,1%  [402]  50.29 112.12 90 bottom
R102  10K,1%  [402]  47.75 112.12 90 bottom
R103  10K,1%  [402]  27.43 112.12 90 bottom
R104  10K,1%  [402]  28.7 112.12 90 bottom
R105  10K,1%  [402]  49.02 112.12 90 bottom
R106  10K,1%  [402]  45.21 112.12 90 bottom
R107  10K,1%  [402]  24.89 112.12 90 bottom
R108  10K,1%  [402]  26.16 112.12 90 bottom
R109  10K,1%  [402]  43.94 112.12 90 bottom
R110  10K,1%  [402]  46.48 112.12 90 bottom
R111  10K,1%  [402]  30.61 112.12 270 bottom
R112  1.5K,1%  [402]  31.88 95.92 0 bottom
R113  1.5K,1%  [402]  31.88 98.78 0 bottom
R114  1.5K,1%  [402]  31.88 94.97 0 bottom
R115  10K,1%  [402]  31.88 96.88 0 bottom
R116  10K,1%  [402]  31.88 93.07 0 bottom
R117  10K,1%  [402]  31.88 94.02 0 bottom
R118  10K,1%  [402]  31.37 90.53 270 top
R119  1.5K,1%  [402]  31.88 98.78 180 top
R120  49.9,1%  [402]  21.4 94.34 180 bottom
R121  49.9,1%  [402]  21.4 95.29 180 bottom
R122  49.9,1%  [402]  21.4 96.24 180 bottom
R123  49.9,1%  [402]  21.4 97.19 180 bottom
R124  10,1%,DNI  [402]  31.88 92.05 180 top
R125  100,1%  [402]  31.88 93.07 180 top
R126  100,1%  [402]  31.88 94.02 180 top
R127  100,1%  [402]  31.88 94.97 180 top
R128  100,1%  [402]  31.88 95.92 180 top
R129  100,1%  [402]  22.58 99.64 270 top
R130  470,5%  [402]  7.11 93.07 180 bottom
R131  100,1%  [402]  31.88 92.11 180 bottom
R132  470,5%  [402]  7.11 96.88 180 bottom
R133  100,1%  [402]  31.88 96.88 180 top
R134  100,1%  [402]  31.88 100.69 180 bottom
R135  10K,1%  [402]  7.11 91.8 0 bottom
R136  0.1R,0805  [805]  5.52 94.97 180 bottom
R137  0,1%  [402]  13.46 94.34 180 bottom
R138  100,1%  [402]  31.88 97.83 180 bottom
R139  100,1%  [402]  31.88 97.83 180 top
R140  0,1%,DNI  [402]  31.88 91.16 180 bottom
R141  1M,1%,DNI  [402]  26.8 90.4 0 bottom
R142  0,1%  [402]  27.94 91.29 0 bottom
R143  10,1%  [402]  25.91 91.67 180 bottom
R144  12.1K,1%  [402]  21.4 93.38 180 bottom
R145  10K,1%  [402]  31.88 99.73 0 bottom
R150  10K,1%  [402]  81.03 107.29 90 top
R151  10K,1%  [402]  82.8 107.29 90 top
R152  10K,1%  [402]  82.3 92.56 90 bottom
R153  10K,1%  [402]  81.03 92.56 90 bottom
R154  10K,1%  [402]  79.76 92.56 90 bottom
R155  10K,1%  [402]  81.92 107.29 90 top
R156  10K,1%  [402]  26.48 87.03 90 bottom
R157  10K,1%  [402]  70.87 107.8 270 bottom
R159  0,1%  [402]  39.75 103.48 0 bottom
R160  0,1%  [402]  43.81 106.91 90 bottom
R161  0,1%  [402]  42.93 106.91 90 bottom
R162  0,1%  [402]  31.88 112.12 270 bottom
R163  4.75K,1%  [402]  49.34 81.32 90 bottom
R164  4.75K,1%  [402]  50.61 81.32 90 bottom
R165  100K,1%  [402]  47.75 76.56 90 top
R167  33  [0402]  39.37 107.42 270 top
R168  0R,1%  [402]  20.7 77.95 180 bottom
R169  0,1% DNP  [402]  23.37 105.51 90 top
R170  0,1% DNP  [402]  23.39 103.33 270 top
R171  4.75K,5%  [402]  50.93 105.51 90 bottom
R172  4.75K,5%  [402]  45.72 105.38 0 bottom
R173  4.75K,5%  [402]  45.47 107.04 90 bottom
R174  4.75K,5%,DNP  [402]  45.72 104.11 180 bottom
R175  4.75K,5%.DNP  [402]  46.48 107.04 270 bottom
S1  SMD Button Top  [SW_4P]  10.29 116.05 270 top
S2  SMD Button Top  [SW_4P]  76.45 108.81 180 top
S3  SMD Button Top  [SW_4P]  10.29 106.65 270 top
TP1  TESTPT1  [TP1-8040]  61.57 75.79 0 top
TP2  TESTPT1  [TP60C_SMD]  58.86 80.68 0 top
TP3  TESTPT1  [TP60C_SMD]  52.83 84.81 0 top
TP4  TESTPT1  [TP1-8040]  22.22 87.1 0 top
TP5  TESTPT1  [TP60C33D]  16.13 75.79 0 top
TP6  TESTPT1  [TP60C33D]  16.13 73.25 0 top
TP7  TESTPT1  [TP60C33D]  18.67 75.79 0 top
TP8  TESTPT1  [TP60C33D]  18.67 73.25 0 top
TP9  TESTPT1  [TP60C33D]  24.76 87.1 0 top
U2  TPS65217C  [U_48_RSL]  24.26 80.37 0 top
U3  SN74LVC1G06DCK  [DCK5_2P15X1P4]  41.72 110.85 0 top
U4  TL5209  [SO8-25X75]  20.19 109.19 180 bottom
U5  AM3358BZCZ100  [AM33XX_15X15]  47.12 94.34 180 top
U7  24LC32A  [SOT23-5]  30.92 87.03 270 bottom
U8  TPS2051 (DGN)  [DGN-16X60]  5.33 76.17 180 bottom
U9  TPD4S012  [U_6_DRY]  15.11 79.73 180 bottom
U10  TPD4S012  [U_6_DRY]  14.41 107.04 270 top
U12  MT41K256M16HA -125:E  [BGA96_T9_P8_9X14]  64.9 89.89 0 top
U13  MEM_MNAND_4GB  [BGA153_P14_P5_11P5X13]  31.24 107.04 270 top